# Altium PCB PCB2.PcbDoc (part 2 of 2)
Units mil, origin at the board's own origin, x right, y up, seen from the top; angles counter-clockwise.
Board outline 3940 x 3055 mil, 4 copper layers (Top Layer, DigitalVCC, AnalogVCC, Bottom Layer), stack 23.756 mil thick; 175 components, 97 nets, 522 pads, 410 vias.
Unrouted connection lines stored in the file: 18.
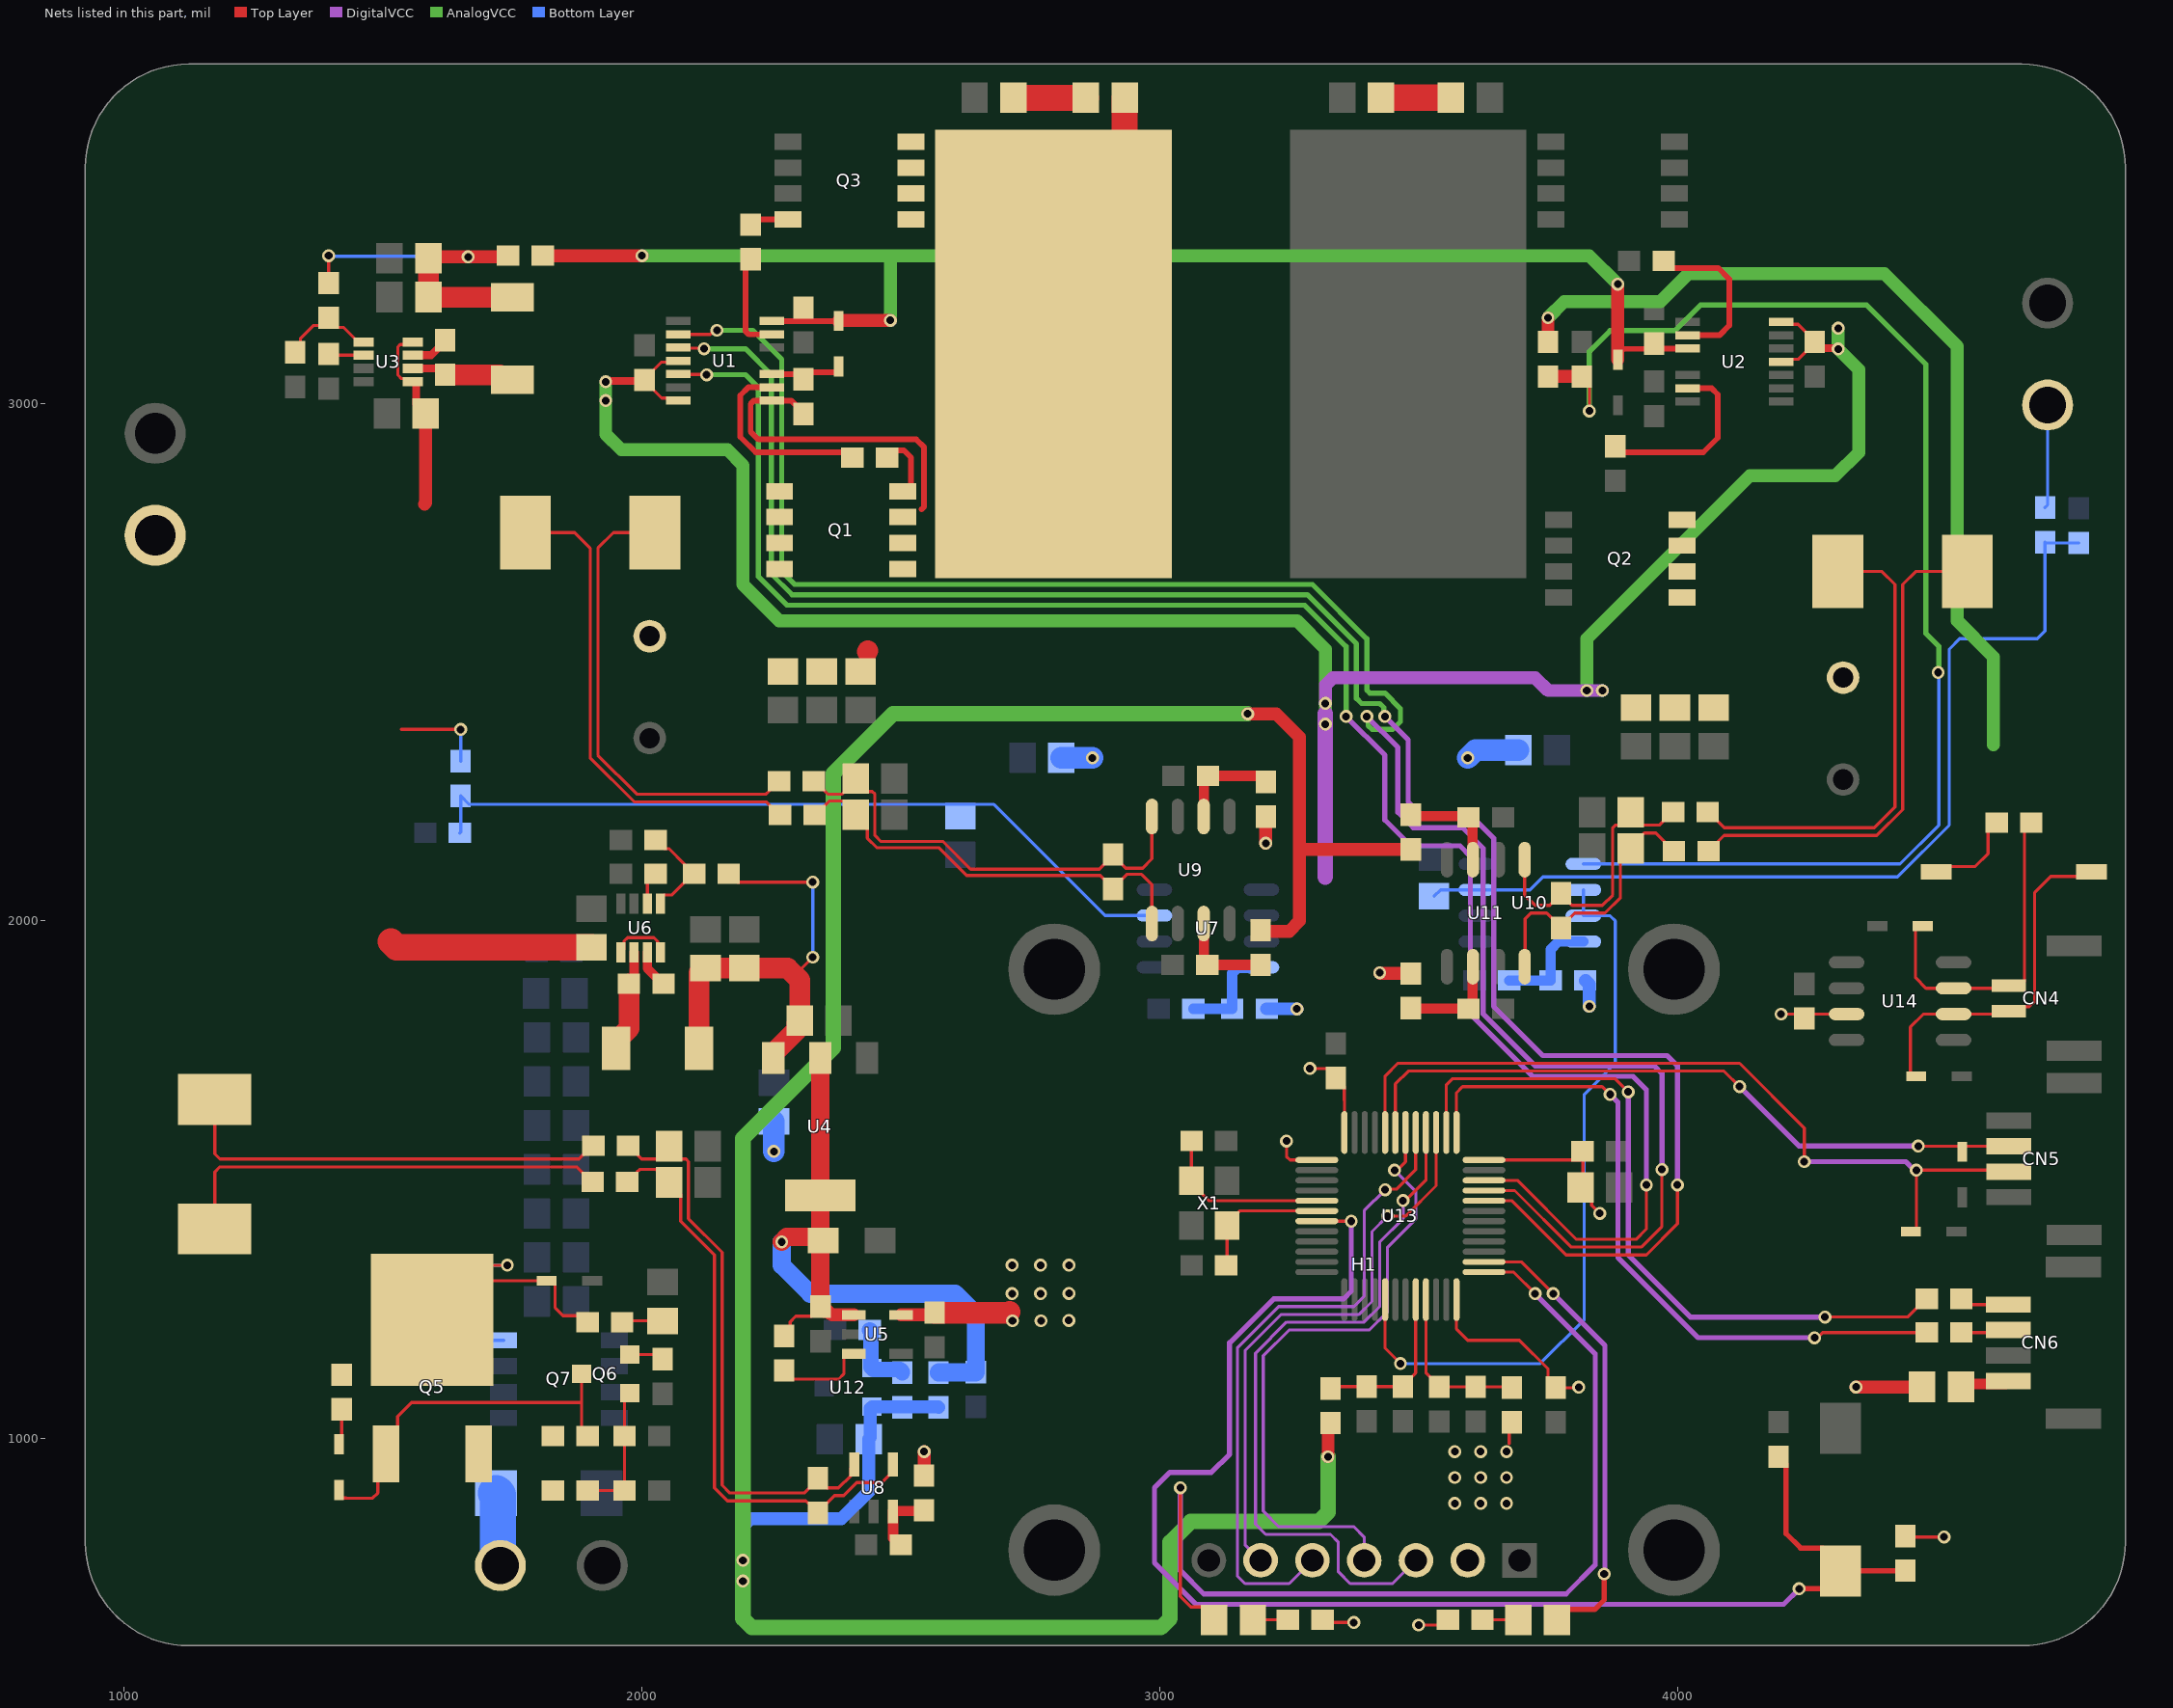
[diagram p4: the nets of this part, all layers, seen from the top]

## Via types
v1: diameter 25/25/25/25 (per signal layer), hole 15, Top Layer to Bottom Layer, tented both sides, 308 vias
v2: diameter 25, hole 15, Top Layer to Bottom Layer, tented both sides, 98 vias
v3: diameter 173.23, hole 108.27, Top Layer to Bottom Layer, 2 vias
v4: diameter 173.23/173.23/173.23/173.23 (per signal layer), hole 108.27, Top Layer to Bottom Layer, 2 vias

## Nets (pads, with @x,y where several pads share a name; then routed paths per layer and width w, separated by ;. In a path a pad name is that pad's centre, name@x,y a point inside that pad or via, vN(x,y) a via of type N, cw(c..) or ccw(c..) an arc to the next point about the centre after c; other vN are vias at no path point) (continued)
LED_BLUE: LED2.2 U13.26 | length 899.6
  Top Layer w6: U13.26@3626.42,1341.42 3698.58,1341.42 v2(3760,1280)
  Top Layer w10: LED2.2@3767.4,650 3787.4,670 3840,670 3858.5,688.5 v2(3858.5,738.68)
  DigitalVCC w10: v2(3760,1280) 3860,1180 3860,740.18 v2(3858.5,738.68)
LED_RED: LED1.2 U13.25 | length 1986.2
  Top Layer w6: v2(3040,905) 3040,695 3060,675 3082.61,675 3105.2,652.41 LED1.2@3105.2,650 ; U13.25@3626.42,1321.73 3683.27,1321.73 v2(3725,1280)
  DigitalVCC w10: v2(3040,905) 3040,745 3085,700 3785,700 3841.22,756.22 3841.22,1163.78 v2(3725,1280)
NetC13_1: C13.1 R5.2 | length 140.2
  Top Layer w50: C13.1@2717.4,3590 R5.2@2857.6,3590
NetC14_1: C14.1 R8.2 | length 135.2
  Top Layer w51: R8.2@3427.4,3590 C14.1@3562.6,3590
NetC15_1: C15.1 L2.1 U3.6 | length 198.9
  Top Layer w15: U3.6@1557.24,3067.2 C15.1@1607.81,3067.2 ; L2.1@1740,3055 L2.1@1750,3045
  Top Layer w40: C15.1@1620,3055 1725.83,3055 1735.83,3045 L2.1@1750,3045
NetC15_2: C15.2 U3.7 | length 76
  Top Layer w15: U3.7@1557.24,3092.8 1592.83,3092.8 1620,3119.96 C15.2@1620,3121.93
NetC16_2: C16.2 Q6.1 R7.1 R10.2 | length 263.2
  Top Layer w6: R7.1@1895,900 R10.2@1966.54,900 C16.2@1966.54,1005 1966.54,1077.87 Q6.1@1976.26,1087.6
NetC17_1: C17.1 D6.2 | length 69.6
  Top Layer w6: D6.2@1415,989 1420,994 C17.1@1420,1056.54
NetC24_1: C24.1 L5.1 U7.8 | length 204.8
  Bottom Layer w20: C24.1@3064.89,1830.35 L5.1@3139.89,1830.35 3139.89,1898.63 3150.91,1909.65 3195.89,1909.65 U7.8@3196.58,1910.35
NetC25_1: C25.1 C52.1 R31.1 U8.5 | length 1112.4
  Top Layer w6: R31.1@1973.27,1566 1975.24,1566 1991.92,1549.31 1991.92,1547.34 1999.26,1540 2029.81,1540 C52.1@2052.4,1562.59 ; C52.1@2052.4,1565 C52.1@2052.4,1562.59 ; C25.1@2340,923.46 C25.1@2340,921.5 ; U8.5@2410.2,950 2403.55,943.35 2403.55,928.55 2379.81,904.81 2356.69,904.81 C25.1@2340,921.5 ; C52.1@2052.4,1562.59 2074.99,1540 2085,1540 2090,1535 2090,1425 2155,1360 2155,910 2170,895 2313.5,895 C25.1@2340,921.5
NetC25_2: C25.2 C51.1 R29.1 U8.4 | length 1137
  Top Layer w6: R29.1@1971.73,1496 1973.7,1496 1990.39,1512.68 1990.39,1514.65 1995.74,1520 2027.41,1520 C51.1@2050,1497.41 ; C51.1@2052.6,1495 2075,1472.6 2075,1420 2140,1355 2140,905 2165,880 2316.54,880 2321.35,875.19 2323.31,875.19 2340,858.5 C25.2@2340,858.31 ; C25.2@2340,856.54 C25.2@2340,858.31 ; U8.4@2485,950 2485,936.52 2463.48,915 2415,915 2390,890 2371.69,890 C25.2@2340,858.31
NetC26_1: C26.1 L6.1 U8.3 | length 133
  Top Layer w20: C26.1@2500,795 2498.03,795 2485,808.03 U8.3@2485,859.16 2485,859.99 2485.35,860.35 2543.81,860.35 L6.1@2545,861.54
NetC27_1: C27.1 L8.2 U9.3 | length 185.9
  Top Layer w20: U9.3@3085,1995 3085.69,1994.31 3085.69,1921.24 C27.1@3091.93,1915 L8.2@3195,1915
NetC28_1: C28.1 L7.1 U9.6 | length 199.2
  Top Layer w20: U9.6@3085,2201.69 3085.69,2202.39 3085.69,2272.23 C28.1@3093.46,2280 3195.31,2280 3205,2270.31 L7.1@3205,2268.46
NetC29_1: C29.1 L9.1 U10.8 | length 209.6
  Bottom Layer w20: C29.1@3675,1885 L9.1@3755,1885 3755,1945 3770,1960 U10.8@3818.35,1960
NetC32_1: C32.1 L11.1 U11.3 | length 198.8
  Top Layer w20: L11.1@3485,2205 3487.5,2202.5 3594.04,2202.5 C32.1@3596.54,2200 3604.31,2192.23 3604.31,2119.04 U11.3@3605,2118.35
NetC33_1: C33.1 L10.1 U11.6 | length 197.3
  Top Layer w20: L10.1@3485,1831.54 3485.77,1830.77 3595.77,1830.77 C33.1@3596.54,1830 3604.31,1837.77 3604.31,1910.96 U11.6@3605,1911.65
NetC39_2: C39.2 C56.2 L12.2 U13.20 | length 319.7
  Top Layer w6: L12.2@3330,1096.93 3333.57,1100.5 C39.2@3400,1100.5 C56.2@3470,1100.5 3470,1102.47 3494.53,1126.99 U13.20@3494.53,1268.58
NetC41_1: C41.1 L3.1 U6.6 | length 199.9
  Top Layer w18: C41.1@1975,1878.68 1985,1888.68 U6.6@1985,1939.19
  Top Layer w40: L3.1@1950.32,1753.68 1950.32,1767.85 1975,1792.53 C41.1@1975,1878.68
NetC41_2: C41.2 U6.7 | length 74.6
  Top Layer w18: U6.7@2010.59,1939.19 2010.73,1939.05 2010.73,1907.91 2039.96,1878.68 C41.2@2041.93,1878.68
NetC45_2: C45.2 R23.1 R27.2 U7.3 | length 1507.8
  Bottom Layer w6: R27.2@1648.46,2170 1650,2171.54 R23.1@1650,2241.54 1666.54,2225 2680,2225 2894.65,2010.35 U7.3@2989.89,2010.35
NetC47_2: C47.2 R32.1 R34.2 U10.3 | length 1828.6
  Bottom Layer w6: C47.2@3530,2047.6 3542.4,2060 U10.3@3611.65,2060 3715,2060 3740,2085 4425,2085 4525,2185 4525,2525 4545,2545 4695,2545 4710,2560 R32.1@4710,2731.54 4711.54,2730 R34.2@4775,2730
NetC48_1: C48.1 C49.1 R58.1 U9.8 | length 908.7
  Top Layer w6: R58.1@2331.93,2270 2333.9,2270 2358.9,2245 2386.54,2245 2412.6,2271.06 C48.1@2412.6,2272.59 ; C48.1@2412.6,2275 C48.1@2412.6,2272.59 ; C49.1@2910,2128.46 C49.1@2910,2126.5 ; U9.8@2985,2201.69 2985,2120 2967,2102 2934.5,2102 C49.1@2910,2126.5 ; C48.1@2412.6,2272.59 2435.19,2250 2445,2250 2450,2245 2450,2165 2461.5,2153.5 2581.5,2153.5 2635,2100 2883.5,2100 C49.1@2910,2126.5
NetC49_2: C49.2 C50.2 R59.1 U9.1 | length 843.9
  Top Layer w6: R59.1@2333.46,2205 2335.43,2205 2361.96,2231.53 2390.01,2231.53 2412.6,2208.94 C50.2@2412.6,2205 2435.19,2182.41 2435.19,2159.81 2453.5,2141.5 2573.5,2141.5 2627,2088 2885.5,2088 C49.2@2910,2063.5 ; C49.2@2910,2061.54 C49.2@2910,2063.5 ; U9.1@2985,1995 2985,2070 2965,2090 2936.5,2090 C49.2@2910,2063.5
NetC53_1: C53.1 C54.1 R60.1 U11.8 | length 534.5
  Top Layer w6: U11.8@3705,1911.65 3705.86,1912.51 3705.86,2003.84 3717.02,2015 3747.32,2015 3775,1987.32 C54.1@3775,1986.54 3775,1988.5 3791.69,2005.19 3801.5,2015 3860,2015 3890,2045 3890,2120 C53.1@3910,2140 3910,2143.94 3936.06,2170 3958.07,2170 R60.1@3993.07,2135
NetC54_2: C54.2 C55.1 R61.1 U11.1 | length 556.7
  Top Layer w6: U11.1@3705,2118.35 3705,2050 3725,2030 3753.31,2030 3758.13,2034.81 3758.31,2034.81 C54.2@3775,2051.5 ; C55.1@3910,2210 C55.1@3910,2207.59 ; R61.1@3991.54,2210 3989.57,2210 3964.57,2185 3932.59,2185 C55.1@3910,2207.59 ; C54.2@3775,2051.5 C54.2@3775,2053.46 C54.2@3775,2051.5 ; C54.2@3775,2051.5 3796.5,2030 3855,2030 3875,2050 3875,2180 3880,2185 3887.41,2185 C55.1@3910,2207.59
NetC57_2: C57.2 C58.2 L13.2 U13.21 | length 319.9
  Top Layer w6: U13.21@3514.21,1268.58 3514.21,1127.76 3540,1101.97 C57.2@3540,1100 C58.2@3610,1100 3678.46,1100 L13.2@3680,1098.46
NetCN4_1: CN4.1 D9.1 R44.2 U14.7 | length 646.1
  Top Layer w6: D9.1@4474,1990 4466.65,1990 4460,1983.35 4460,1890 4480,1870 U14.7@4533.35,1870 4635,1870 CN4.1@4640,1875 4661.65,1875 4670.46,1883.81 4670.46,2177 R44.2@4683.46,2190
NetCN4_2: CN4.2 D10.1 SW1.1 U14.6 | length 699.4
  Top Layer w6: D10.1@4461,1700 4456.65,1700 4450,1706.65 4450,1795 4475,1820 U14.6@4533.35,1820 4634.2,1820 CN4.2@4640,1825.8 4648.81,1834.61 4679.61,1834.61 4690,1845 4690,2055 4720.82,2085.82 4790.82,2085.82 SW1.1@4800,2095
NetCN6_1: CN6.1 L4.1 | length 96
  Top Layer w20: L4.1@4547.4,1100 4552.99,1105.59 4633.23,1105.59 CN6.1@4638.82,1111.18
NetCN6_3: CN6.3 R47.1 | length 92.3
  Top Layer w6: R47.1@4548.46,1205 4634.21,1205 CN6.3@4638.82,1209.61
NetCN6_4: CN6.4 R46.1 | length 95
  Top Layer w6: R46.1@4548.46,1270 4559.65,1258.82 CN6.4@4638.82,1258.82
NetD6_1: D6.1 Q5.1 Q6.3 R6.1 | length 746.7
  Top Layer w6: D6.1@1415,901 1415,891.97 1421.65,885.33 1429.09,885.33 1429.41,885 1480,885 1490,895 1490,954.88 1528.11,992.99 1528.11,1043.11 1555,1070 1883.11,1070 1883.74,1070.63 ; Q6.3@1883.74,1125 1883.74,1070.63 ; R6.1@1895,1005 1883.74,1016.26 1883.74,1070.63
NetLED1_1: LED1.1 R42.1 | length 67.6
  Top Layer w6: LED1.1@3180,650 R42.1@3247.6,650
NetLED2_1: LED2.1 R43.1 | length 69.1
  Top Layer w6: R43.1@3623.46,650 LED2.1@3692.6,650
NetLED3_1: LED3.1 R12.1 | length 79.1
  Top Layer w6: R12.1@1961.93,1225 1964.53,1227.6 LED3.1@2040,1227.6
NetQ6_2: Q6.2 R11.2 | length 67.4
  Top Layer w6: Q6.2@1976.26,1162.4 2031.06,1162.4 R11.2@2040,1153.46
NetQ7_4: Q7.4 R13.1 R14.2 | length 159.5
  Bottom Layer w6: R13.1@1645,1266.54 R14.2@1645,1198.46 1653.46,1190 Q7.4@1732.87,1190
NetR1_1: R1.1 U1.12 | length 196.6
  Top Layer w11: R1.1@2210,3278.07 2200,3268.07 2200,3139.39 2206.44,3132.95 U1.12@2251.1,3132.95
NetR2_1: R2.1 U1.9 | length 380.7
  Top Layer w11: U1.9@2251.1,3030.59 2205.59,3030.59 2190,3015 2190,2935 2220,2905 2396.54,2905 R2.1@2406.54,2895
NetR3_1: R3.1 U2.12 | length 362
  Top Layer w11: R3.1@3880,2916.93 3891.93,2905 4050,2905 4078,2933 4078,3017 4066.18,3028.82 U2.12@4019.45,3028.82
NetR4_1: R4.1 U2.9 | length 319.4
  Top Layer w11: R4.1@3973.46,3275 3987.65,3260.81 4079.19,3260.81 4100,3240 4100,3150 4081.18,3131.18 U2.9@4019.45,3131.18
NetR9_2: R9.2 R16.2 U3.1 | length 188.5
  Top Layer w6: R16.2@1330,3098.46 1340.6,3109.07 1340.6,3125.6 1365,3150 1380,3150 R9.2@1395,3165 ; R9.2@1395,3163.03 1411.69,3146.35 1423.97,3146.35 1451.93,3118.39 U3.1@1462.76,3118.39
NetR15_2: R15.2 U5.3 | length 180.8
  Top Layer w6: R15.2@2275,1131.54 2291.54,1115 2380,1115 2390,1125 2390,1157.49 2396.65,1164.14 U5.3@2409.58,1164.14
NetR17_2: R17.2 U3.2 | length 68.7
  Top Layer w6: R17.2@1395,3095 1397.2,3092.8 U3.2@1462.76,3092.8
NetR33_2: R33.2 R35.1 U10.5 | length 2607
  Top Layer w6: R35.1@3815,3051.54 3830,3036.54 v2(3830,2985)
  Top Layer w25: R33.2@3750,3051.54 R35.1@3815,3051.54
  AnalogVCC w10: v2(3830,2985) 3830,3100 3870,3140 3995,3140 4045,3190 4365,3190 4480,3075 4480,2555 4505,2530 4505,2481.5 v2(4503.5,2480)
  Bottom Layer w6: U10.5@3818.35,2110 4430,2110 4505,2185 4505,2478.5 v2(4503.5,2480)
NetR40_1: R40.1 R41.2 U12.1 | length 138.7
  Bottom Layer w30: R41.2@2440,1210 2442.15,1207.85 2442.15,1138.55 U12.1@2444.29,1136.41 2447.01,1133.69 2498.35,1133.69 2503.03,1129.01 R40.1@2503.03,1127.47
NetR44_1: R44.1 SW1.2 | length 181.3
  Top Layer w6: SW1.2@4500,2095 4510,2105 4575,2105 4600,2130 4600,2173.46 R44.1@4616.54,2190
NetR53_2: R53.2 R54.2 U6.1 | length 193.7
  Top Layer w6: R54.2@2026.26,2156.43 2042.94,2139.75 2052.05,2139.75 2082.21,2109.59 2082.21,2108.12 2098.9,2091.43 2057.46,2050 2042.04,2050 2036.18,2044.14 U6.1@2036.18,2033.68 ; R53.2@2100.37,2091.43 R53.2@2100.87,2091.43
NetR55_2: R55.2 U6.2 | length 64.2
  Top Layer w6: U6.2@2010.59,2033.68 2010.59,2075.76 R55.2@2026.26,2091.43
NRST: C40.2 R45.1 SW2.2 U13.7 | length 2815.3
  Top Layer w6: U13.7@3303.58,1420.16 3369.84,1420.16 v2(3370,1420)
  Top Layer w10: C40.2@4195,965 4209.69,950.31 4209.69,816.72 4237.78,788.62 4280.63,788.62 4315,754.25 SW2.2@4315,744.41 4315.59,745 R45.1@4440,745 ; v2(4235,710) 4280.63,710 SW2.2@4315,744.41
  DigitalVCC w10: v2(3370,1420) 3370,1285 3355,1270 3220,1270 3135,1185 3135,970 3100,935 3020,935 2990,905 2990,760 3070,680 4205,680 v2(4235,710)
OLED_DC: H1.6 U13.39 | length 1100.3
  Top Layer w6: v2(3440,1430) 3475.41,1430 3533.9,1488.49 U13.39@3533.9,1591.42
  DigitalVCC w6: H1.6@3195,765 3165,795 3165,1170 3235,1240 3385,1240 3410,1265 3410,1400 v2(3440,1430)
OLED_MOSI: H1.4 U13.42 | length 1234.2
  Top Layer w6: v2(3453.5,1518.68) 3458.64,1518.68 3474.84,1534.88 U13.42@3474.84,1591.42
  DigitalVCC w6: H1.4@3395,765 3395,810 3375,830 3230,830 3200,860 3200,1160 3250,1210 3405,1210 3440,1245 3440,1370 3495,1425 3495,1477.18 v2(3453.5,1518.68)
OLED_RES: H1.5 U13.41 | length 1265.8
  Top Layer w6: v2(3435.48,1480.68) 3436.63,1481.84 3456.98,1481.84 3494.53,1519.39 U13.41@3494.53,1591.42
  DigitalVCC w6: H1.5@3295,765 3250,720 3165,720 3150,735 3150,1175 3230,1255 3375,1255 3395,1275 3395,1440.2 v2(3435.48,1480.68)
OLED_SCK: H1.3 U13.40 | length 1393.3
  Top Layer w6: v2(3470,1460) 3475,1460 3514.21,1499.21 U13.40@3514.21,1591.42
  DigitalVCC w6: v2(3470,1460) 3470,1425 3425,1380 3425,1255 3395,1225 3245,1225 3185,1165 3185,835 3205,815 3330,815 3345,800 3345,742.98 3367.98,720 3450,720 H1.3@3495,765
OSC_IN: C60.1 U13.5 X1.1 | length 337.9
  Top Layer w6: C60.1@3061.54,1575 3061.1,1574.56 X1.1@3061.1,1497.97 3061.1,1494.03 3095.6,1459.53 U13.5@3303.58,1459.53
OSC_OUT: C61.1 U13.6 X1.3 | length 264.7
  Top Layer w6: C61.1@3128.46,1335 3130,1336.54 X1.3@3130,1411.35 3130,1415.28 3154.56,1439.84 U13.6@3303.58,1439.84
SourceDriver_Enable: U1.5 U13.34 | length 3625.4
  Top Layer w6: U1.5@2070,3056.18 2070.59,3055.59 2124.41,3055.59 v2(2125,3055) ; U13.34@3626.42,1498.9 3691.1,1498.9 3805,1385 3920,1385 3940,1405 v2(3940,1490)
  DigitalVCC w10: v2(3360,2395) 3435,2320 3435,2195 3485,2145 3580,2145 3600,2125 3600,1820 3720,1700 3914.14,1700 3940,1674.14 v2(3940,1490)
  AnalogVCC w10: v2(2125,3055) 2200,3055 2225,3030 2225,2665 2280,2610 3280,2610 3360,2530 v2(3360,2395)
SourceDriver_HighDrive: Q1.4 R2.2 | length 133.2
  Top Layer w11: R2.2@2473.46,2895 2487.65,2909.19 2505.81,2909.19 2520,2895 2520,2840.25 2509.75,2830 Q1.4@2504.11,2830
SourceDriver_HighPWM: U1.3 U13.32 | length 3807.9
  Top Layer w6: U1.3@2070,3107.36 2071.18,3106.18 2118.82,3106.18 v2(2120,3105) ; U13.32@3626.42,1459.53 3680.47,1459.53 3785,1355 3940,1355 4000,1415 v2(4000,1490)
  DigitalVCC w10: v2(3435,2395) 3480,2350 3480,2230 3510,2200 3605,2200 3645,2160 3645,1835 3740,1740 3980,1740 4000,1720 v2(4000,1490)
  AnalogVCC w10: v2(2120,3105) 2200,3105 2250,3055 2250,2670 2290,2630 3285,2630 3380,2535 3380,2430 3390,2420 3425,2420 3433.05,2411.95 3433.05,2396.95 v2(3435,2395)
SourceDriver_LowDrive: Q3.4 R1.2 | length 75.9
  Top Layer w11: R1.2@2210,3345 2220,3355 Q3.4@2281.78,3355
SourceDriver_LowPWM: U1.2 U13.33 | length 3931.5
  Top Layer w6: U1.2@2070,3132.95 2131.99,3132.95 2139.89,3140.86 v2(2145,3140.86) ; U13.33@3626.42,1479.21 3685.79,1479.21 3795,1370 3930,1370 3970,1410 v2(3970,1520)
  DigitalVCC w10: v2(3400,2395) 3460,2335 3460,2210 3490,2180 3585,2180 3625,2140 3625,1820 3725,1720 3955,1720 3970,1705 v2(3970,1520)
  AnalogVCC w10: v2(2145,3140.86) 2214.14,3140.86 2270,3085 2270,2675 2295,2650 3295,2650 3400,2545 3400,2445.86 3405.86,2440 3435,2440 3465,2410 3465,2385 3450,2370 3410,2370 3402.87,2377.13 3402.87,2392.13 v2(3400,2395)
SourceDriver_SW: C9.2 L1.1 Q1.1 Q1.2 Q1.3 Q3.5 Q3.6 Q3.7 Q3.8 R5.1 U1.8 | length 1191.5
  Top Layer w11: C9.2@2312.03,2979.2 2312.03,2981.17 2288.2,3005 U1.8@2251.1,3005 2216.44,3005 2210,2998.56 2210,2945 2225,2930 2530,2930 2545,2915 2545,2800 2540,2795
  Top Layer w50: L1.1@2795,3095 2932.4,3232.4 R5.1@2932.4,3590
SourceDriver_VCC: C9.1 D1.1 U1.10 | length 143.2
  Top Layer w11: U1.10@2251.1,3056.18 C9.1@2312.03,3056.18 ; C9.1@2312.03,3046.13 2325.9,3060 2375.85,3060 2380,3064.15 D1.1@2380,3071
SWCLK: R46.2 U13.38 | length 1414.4
  Top Layer w6: U13.38@3553.58,1591.42 3553.58,1683.58 3565,1695 3880,1695 v2(3905,1670) ; v2(4285,1235) 4444.57,1235 4479.57,1270 R46.2@4481.54,1270
  DigitalVCC w10: v2(3905,1670) 3905,1355 4025,1235 v2(4285,1235)
SWDIO: R47.2 U13.37 | length 1370.7
  Top Layer w6: U13.37@3573.27,1591.42 3573.27,1668.27 3585,1680 3854.59,1680 3869.59,1665 v2(3870,1665) ; v2(4265,1195) 4270.14,1195 4280.14,1205 R47.2@4481.54,1205
  DigitalVCC w10: v2(3870,1665) 3885,1650 3885,1350 4040,1195 v2(4265,1195)
TemDet: U10.6 U10.7 U13.17 | length 1436.7
  Top Layer w6: U13.17@3435.47,1268.58 3435.47,1174.53 v2(3465,1145)
  Bottom Layer w6: v2(3465,1145) 3735,1145 3820,1230 3820,1665 3880,1725 3880,2000 3870,2010 U10.7@3818.35,2010 U10.6@3818.35,2060
USART_Rx: CN5.2 D12.1 U13.44 | length 1576.8
  Top Layer w6: U13.44@3435.47,1591.42 3435.47,1700.47 3460,1725 4120,1725 4245,1600 v2(4245,1535) ; D12.1@4451,1400 4460,1400 4461.5,1401.5 v2(4461.5,1518.68) 4637.11,1518.68 CN5.2@4640,1515.79
  DigitalVCC w10: v2(4245,1535) 4441.12,1535 4457.44,1518.68 v2(4461.5,1518.68)
USART_Tx: CN5.3 D11.1 U13.43 | length 1348.9
  Top Layer w6: U13.43@3455.16,1591.42 3455.16,1685.16 3480,1710 4090,1710 v2(4120,1680) ; v2(4465,1565) CN5.3@4640,1565
  DigitalVCC w10: v2(4120,1680) 4235,1565 v2(4465,1565)
VCC3.3: C7.2 C10.2 C21.1 C34.2 C35.2 C36.2 C37.2 C59.2 C64.2 C65.2 C66.2 H1.2 L4.2 L5.2 L6.2 L7.2 L9.2 L10.2 L13.1 R33.1 R42.2 R43.2 R45.2 U1.4 U1.7 U2.4 U2.7 U5.5 U13.1 U13.24 U13.36 U13.48 U14.3 | length 8180.4
  Top Layer w6: C7.2@2005,3043.03 2038.16,3009.87 2065.13,3009.87 U1.7@2070,3005 ; C7.2@2005,3046.97 2037.38,3079.35 2067.58,3079.35 U1.4@2070,3081.77 ; v1(3245,1575) 3245,1545 3251.73,1538.27 U13.1@3303.58,1538.27 ; v1(3290,1715) 3323.31,1715 3340,1698.31 C35.2@3340,1696.54 3356.69,1679.85 3356.69,1653.73 3356.73,1653.68 U13.48@3356.73,1591.42 ; R42.2@3314.53,650 3319.53,645 v1(3375,645) ; v1(3500,640) 3546.54,640 R43.2@3556.54,650 ; U13.24@3573.27,1268.58 3573.27,1211.73 3595,1190 3695,1190 3750,1135 3750,1113.46 C37.2@3765,1098.46 3808.46,1098.46 v1(3809.23,1099.23) v1@3810,1100 ; U13.36@3626.42,1538.27 3815.39,1538.27 3817.6,1536.06 C59.2@3817.6,1480 ; 3675,990 3675,1026.54 L13.1@3680,1031.54 ; C59.2@3812.6,1485 C59.2@3817.6,1480 ; v1(3850,1435) 3834.22,1450.78 3834.22,1463.38 C59.2@3817.6,1480 ; v1(4200,1820) U14.3@4326.65,1820 ; U2.4@4200.55,3080 4205.22,3084.67 4233.17,3084.67 4265,3116.5 C10.2@4265,3118.46 4265,3120.43 4233.17,3152.26 4205.06,3152.26 U2.7@4200.55,3156.77 ; R45.2@4440,811.93 4441.93,810 v1(4515,810)
  Top Layer w15: v1(1930,3041.51) 1931.74,3043.26 2004.78,3043.26 C7.2@2005,3043.03 ; C10.2@4265,3118.46 4276.94,3106.53 4308.47,3106.53 v1(4310.38,3104.62)
  Top Layer w25: U5.5@2500.42,1238.94 C21.1@2562.44,1238.94 ; L6.2@2545,928.46 v1(2545,975) ; v1(3205,2150) L7.2@3205,2201.54 ; v1(3425,1900) 3426.54,1898.46 L10.2@3485,1898.46 ; R33.1@3750,3118.46 v1(3750,3165) ; v1(4345,1100) L4.2@4472.6,1100
  Top Layer w42: C21.1@2565,1243.46 2708.46,1243.46 2710,1245
  DigitalVCC w25: v1(3320,2420) 3320,2455.36 3334.64,2470 3725,2470 3750,2445 v1(3825,2445) v1(3855,2445)
  DigitalVCC w30: 3320,2085 v1(3320,2380) 3320,2400
  AnalogVCC w25: v1(1930,3041.51) v1(1930,3005) 1930,2940 1960,2910 2165,2910 2195,2880 2195,2650 2265,2580 3265,2580 3320,2525 v1(3320,2420) v1(3320,2380) ; v1(3750,3165) 3781,3196 3967.16,3196 4021.16,3250 4400,3250 4540,3110 4540,2580 4610,2510 4610,2340 ; v1(3825,2445) 3825,2545 4140,2860 4305,2860 4350,2905 4350,3065 v1(4310.38,3104.62) v1(4310.38,3144.62)
  Bottom Layer w25: L5.2@3206.82,1830.35 3264.65,1830.35 v1(3265,1830) ; L9.2@3821.93,1885 3822.81,1885 3830,1877.81 v1(3830,1835)
  Bottom Layer w42: v1(2255,1555) C65.2@2255,1612.6 ; C64.2@2809.8,2315 v1(2870,2315) ; v1(3595,2315) 3610,2330 C66.2@3692.6,2330
  other v1: 2715.72,1227.72 2770.72,1227.72 2824.57,1228.28 2715,1280 2770,1280 2825.05,1280.48 2715,1335 2770,1335 2825,1335
  other v2: 3570,875 3620,875 3670,875 3570,925 3620,925 3670,925 3570,975 3620,975 3670,975
VCC5: C19.1 C20.1 C31.2 R15.1 R39.2 U4.2 U4.4 U5.1 | length 1383.5
  Top Layer w6: R15.1@2275,1198.46 2286.28,1209.74 2286.28,1225.6 2297.02,1236.35 2328.31,1236.35 C20.1@2345,1253.03
  Top Layer w25: C20.1@2345,1253.03 2352.19,1245.85 2359.92,1245.85 2366.83,1238.94 U5.1@2409.58,1238.94
  Top Layer w35: v2(2270,1380) 2280,1390 2342.61,1390 C19.1@2350,1382.61 ; U4.2@2344.5,1735.48 2344.75,1735.24 2344.75,1255.25 C20.1@2345,1255
  Bottom Layer w35: v2(2270,1380) 2270,1335 2325,1280 2605,1280 2645,1240 C31.2@2645,1128.46 2644.5,1127.97 2573.53,1127.97 R39.2@2573.03,1127.47
VCC7: C18.1 C42.2 C43.2 L3.2 R53.1 U4.3 | length 889
  Top Layer w6: R53.1@2167.8,2091.43 2184.23,2075 v2(2330,2075) ; 2295.15,1895.15 v2(2330,1930)
  Top Layer w40: L3.2@2110,1753.68 2110,1900.17 2118.86,1909.03 C43.2@2122.8,1909.03 C42.2@2197.8,1909.03 2281.27,1909.03 2304.7,1885.6 C18.1@2304.7,1807.61 2299.11,1802.02 2299.11,1789.5 2253.95,1744.34 U4.3@2253.95,1735.48
  Bottom Layer w6: v2(2330,1930) v2(2330,2075)
VCC12: C22.2 C30.2 L2.2 R9.1 R52.1 | length 717.5
  Top Layer w6: R9.1@1395,3231.93 v2(1395,3285)
  Top Layer w25: C22.2@1587.4,3280 1589.9,3282.5 v2(1664.47,3282.5) 1739.04,3282.5 R52.1@1741.54,3285
  Top Layer w40: C22.2@1587.4,3280 C30.2@1587.4,3205 1587.56,3204.84 1749.84,3204.84 L2.2@1750,3204.68
  Bottom Layer w6: v2(1395,3285) 1396.25,3283.75 1663.22,3283.75 v2(1664.47,3282.5)
VCC12_boot: C8.1 C11.1 D1.2 D2.2 R52.2 U1.13 U2.10 | length 2752.8
  Top Layer w11: U1.13@2251.1,3158.54 D1.2@2379.54,3158.54 ; D2.2@3885,3084 3885,3093.74 3896.26,3105 3945,3105 C11.1@3955,3115 ; C11.1@3955,3105.59 U2.10@4019.45,3105.59
  Top Layer w25: R52.2@1808.46,3285 v2(2000,3285) ; D1.2@2379.54,3158.54 D1.2@2380,3159 2381,3160 v1(2480,3160) ; D2.2@3885,3084 v2(3885,3230)
  AnalogVCC w25: v2(2000,3285) 2480,3285 ; v1(2480,3160) 2480,3285 ; v2(3885,3230) 3830,3285 2480,3285
VCC24: C38.2 C44.2 CN1.1 R22.2 R23.2 R30.1 R31.2 R59.2 U3.5 U3.8 U6.5 U6.8 | length 2865.9
  Top Layer w6: R30.1@1175,1655 1175,1550 1185,1540 1878.37,1540 1904.37,1566 R31.2@1906.34,1566 ; 1535,2370 v2(1650,2370) ; U3.5@1557.24,3041.61 1551.39,3047.47 1535.7,3047.47 1528.56,3054.62 1528.56,3108.56 1533.18,3113.18 1552.04,3113.18 U3.8@1557.24,3118.39 ; R22.2@1775,2750 1870,2750 1900,2720 1900,2315 1985,2230 2240,2230 2245,2225 2245,2224.57 2264.57,2205 R59.2@2266.54,2205 ; U6.5@1959.41,1939.19 1965.27,1945.05 1965.27,1960.73 1972.41,1967.87 2023.18,1967.87 2030.32,1960.73 2030.32,1945.05 U6.8@2036.18,1939.19
  Top Layer w15: U3.5@1557.24,3041.61 1562.95,3041.61 1564.31,3040.26 1564.31,2998.09 C38.2@1582.4,2980
  Top Layer w25: 1580,2805 1582.4,2807.4 C38.2@1582.4,2980
  Top Layer w51: 1515,1960 1525.97,1949.03 C44.2@1902.8,1949.03
  Bottom Layer w6: R23.2@1650,2308.46 v2(1650,2370)
VCC24_H: C17.2 D7.1 Q5.2 R12.2 R13.2 R29.2 R30.2 | length 1546.6
  Top Layer w6: R30.2@1175,1405 1175,1515 1185,1525 1873.83,1525 1902.83,1496 R29.2@1904.8,1496 ; C17.2@1420,1123.46 C17.2@1436.54,1140 ; Q5.2@1664.61,1160 Q5.2@1595,1229.61 Q5.2@1670.39,1305 ; v2(1740,1335) 1700.39,1335 Q5.2@1670.39,1305 ; R12.2@1895,1225 1882.39,1237.61 1847.39,1237.61 1832.39,1252.61 1832.39,1298.35 1825.75,1305 D7.1@1816,1305 Q5.2@1670.39,1305
  Bottom Layer w6: R13.2@1645,1333.46 1646.54,1335 v2(1740,1335)
VCC_bat: CN2.2 D4.2 Q5.3 R6.2 R7.2 | length 143.6
  Bottom Layer w70: D4.2@1717.98,895 1722.28,890.7 1722.28,759.3 CN2.2@1726.58,755
VCC_cap: CN3.2 R32.2 R36.1 R60.2 | length 1178.7
  Top Layer w6: R60.2@4060,2135 4090,2165 4385,2165 4435,2215 4435,2650 4460,2675 R36.1@4560,2675
  Bottom Layer w6: R32.2@4710,2798.46 4715,2803.46 CN3.2@4715,2996.58
VCC_DCcap: C4.2 C6.1 C62.2 C63.2 Q2.5 Q2.6 Q2.7 Q2.8 R36.2 R61.2 | length 940.9
  Top Layer w6: R61.2@4058.46,2210 4060.43,2210 4090.43,2180 4380,2180 4420,2220 4420,2650 4395,2675 R36.2@4310,2675
VCC_DCsource: C1.2 C2.2 C3.2 C5.1 Q1.5 Q1.6 Q1.7 Q1.8 R22.1 R58.2 | length 917.2
  Top Layer w6: R22.1@2025,2750 1945,2750 1915,2720 1915,2320 1990,2245 2240,2245 2246.35,2251.35 2246.35,2253.31 2263.03,2270 R58.2@2265,2270
  Top Layer w40: 2435,2520 2436.54,2521.54
Vref3.3: C46.2 L8.1 L11.2 L12.1 R39.1 R40.2 U12.2 | length 5463
  Top Layer w25: v1(3170,2400) 3225,2400 3270,2355 3270,2140 ; L8.1@3195,1981.93 3196.93,1980 3250,1980 3270,2000 3270,2140 ; v2(3325,965) 3325.31,965.31 3325.31,1025.31 L12.1@3330,1030 ; L11.2@3485,2138.07 3271.93,2138.07 3270,2140
  AnalogVCC w30: v1(3170,2400) 2485,2400 2370,2285 2370,1755 2195,1580 2195,652.57 2212.57,635 3002.43,635 3020,652.57 3020,800 3060,840 3307.43,840 3325,857.57 v2(3325,965)
  Bottom Layer w25: 2195,750 2195,830 2210,845 2385,845 2437.83,897.83 C46.2@2437.83,999.01 2441.06,1002.23 2441.06,1058.38 U12.2@2444.29,1061.6 2444.82,1061.07 2572.5,1061.07 R39.1@2573.03,1060.54
  other v2: 2195,725 2195,765
pads on no net: CN5.4 U1.6 U2.6 U5.4 U7.5 U7.6 U7.7 U9.4 U11.4 U13.2 U13.3 U13.4 U13.10 U13.11 U13.13 U13.15 U13.18 U13.22 U13.27 U13.28 U14.5 U14.8
copper on no net:
  other v3: 4665,800

## Polygon pours and split planes (outlines as drawn)
GND on DigitalVCC "NONET_L-01_P-001" (solid, remove dead copper, pour order 0): 1925,600 1925,2155 2130,2360 4870,2360 5030,2520 4935,2615 4935,4180 995,4180 400,3585 400,360
VCC3.3 on DigitalVCC "NONET_L-01_P-001" (solid, remove dead copper, pour order 9): 3290,2120 3290,2060 3360,2060 3360,2120
VCC3.3 on DigitalVCC "NONET_L-01_P-001" (solid, remove dead copper, pour order 1): 2675,556.93 2675,1985 2810,2120 5170,2120 5422.5,1867.5 5190,1635 5190,580
VCC3.3 on AnalogVCC "NONET_L-01_P-001" (solid, remove dead copper, pour order 2): 2225,597.9 2225,2080 2500,2355 5205,2355 5380,2180 5380,415
GND on AnalogVCC "NONET_L-01_P-001" (solid, remove dead copper, pour order 16): 1925,595 1925,2155 2130,2360 4887.72,2360 5405,2877.28 5405,4490 1120,4490 335,3705 335,240
VCC3.3 on AnalogVCC "NONET_L-01_P-001" (solid, pour order 12): 4577.5,2355 4577.5,2315 4642.5,2315 4642.5,2355
GND on Bottom Layer "NONET_L-01_P-001" (solid, pour order 14): 4530,2420 4530,2375 4590,2375 4590,2420
GND on Bottom Layer "NONET_L-01_P-001" (solid, remove dead copper, pour order 3): 2140,530 2140,2155 2405,2420 4930,2420 4930,835 5240,525
GND on Top Layer "NONET_L-01_P-001" (solid, remove dead copper, pour order 15): 1925,600 1925,2155 2130,2360 4865,2360 4865,3850 4620,4095 4425,3900 655,3900 655,245 820,80
GND on Top Layer "NONET_L-01_P-001" (solid, remove dead copper, pour order 7): 3366.8,2255 3366.8,2210 3425,2210 3425,2255
GND on Top Layer "NONET_L-01_P-001" (solid, remove dead copper, pour order 4): 2405,600 2405,2100 2560,2255 4900,2255 5285,1870 5285,445

## Other copper
Top Layer:
  region net GND: 1712.5,1475 1707.5,1470 1642.5,1470 1637.5,1475 1637.5,1495 1642.5,1500 1707.5,1500 1712.5,1495
  region net GND: 3825,2262.5 3820,2267.5 3820,2332.5 3825,2337.5 3845,2337.5 3850,2332.5 3850,2267.5 3845,2262.5
  region net GND: 2572.5,2330 2577.5,2335 2642.5,2335 2647.5,2330 2647.5,2310 2642.5,2305 2577.5,2305 2572.5,2310
  region net GND: 2190,1722.5 2195,1717.5 2195,1652.5 2190,1647.5 2170,1647.5 2165,1652.5 2165,1717.5 2170,1722.5
  region net VCC3.3: 2700,1220 2705,1215 2835,1215 2840,1220 2840,1350 2835,1355 2705,1355 2700,1350
  region net GND: 1940,1985 1945,1980 1995,1980 1995,2010 1940,2010
  region net GND: 1765,1995 1995,1995 1995,2055 1985,2065 1795,2065 1785,2075 1780,2075
  region net GND: 1650,2000 1655,1995 1785,1995 1790,2000 1790,2125 1785,2130 1655,2130 1650,2125
  region net VCC24: 1970,1960 1970,1920 1935,1920 1930,1925 1925,1925 1925,1965 1930,1965 1935,1960
  region net VCC24: 1570,1860 1570,2405 1575,2410 1820,2410 1825,2415 1825,2824.18 1819.18,2830 950.82,2830 945,2824.18 945,1860
  region net GND: 1295,3497.82 1295,3610 1300,3615 2305,3615 2310,3610 2310,3514.64
  region net GND: 4019.38,3469.38 4030,3480 4030,3595 4050,3615 4505,3615 4510,3610 4510,3460 4130,3460 4064.38,3394.38
  region net GND: 1295,3390 1295,3340 1300,3335 2175,3335 2175,3380 2185,3390 2185,3395 1340,3395 1310,3425
  region net GND: 1920.41,3170.48 1940.41,3170.48 1945.41,3165.48 1945.41,3100.48 1940.41,3095.48 1920.41,3095.48 1915.41,3100.48 1915.41,3165.48
  region net GND: 4300,3065 4320,3065 4325,3060 4325,2995 4320,2990 4300,2990 4295,2995 4295,3060
  region net GND: 3575,2455 3580,2450 3580,2360 3575,2355 3490,2355 3485,2360 3485,2450 3490,2455
  region net GND: 2305,3385 2310,3390 2310,3520 2305,3525 1300,3525 1295,3520 1295,3390 1300,3385
  region net GND: 3965,3470 3970,3475 4505,3475 4510,3470 4510,3340 4505,3335 3970,3335 3965,3340
  region net VCC_DCcap: 3880,2795 3880,2390 3890,2380 4345,2380 4360,2395 4360,2790 4355,2795
  pour cut-out: 1662.8,3238.53 1832.8,3238.53 1837.8,3233.53 1837.8,3013.53 1832.8,3008.53 1662.8,3008.53 1657.8,3013.53 1657.8,3233.53
  pour cut-out: 2557.5,3530 2555,3527.5 2555,2668.51 2573.51,2650 3710,2650 3715,2655 3715,3526.49 3705,3536.49 2565,3536.49
  region net VCC3.3: 3550.82,1000 3682,1000 3688.5,993.5 3688.5,867.34 3680.48,859.32 3550.68,859.32 3545,865 3545,994.18
  pour cut-out: 3025,1535 3025,1376.27 3031.27,1370 3165,1370 3170,1375 3170,1535 3165,1540 3029.77,1540
  region net VCC3.3: 1920,3060 1940,3060 1945,3055 1945,2990 1940,2985 1920,2985 1915,2990 1915,3055
  region net VCC3.3: 4300,3165 4320,3165 4325,3160 4325,3095 4320,3090 4300,3090 4295,3095 4295,3160
  region net VCC_cap: 4515,2600 4510,2605 4510,3090 4515,3095 4825,3095 4830,3090 4830,2605 4825,2600 4605,2600
  region net CapDriver_SW: 3885,3335 3715,3335 3705,3325 3705,3520 3700,3525 3705,3530 3770,3530 3775,3525 3885,3525
  region net CapDriver_SW: 3800,2660 3795,2655 3715,2655 3705,2665 3705,2800 3710,2795 3795,2795 3800,2790
  region net SourceDriver_SW: 2565,3335 2570,3330 2570,3340
  region net SourceDriver_SW: 2390.89,3525 2545,3525 2550,3530 2565,3530 2570,3525 2570,3340 2565,3335 2390.89,3335
  region net SourceDriver_SW: 2560,2800 2570,2810 2575,2805
  region net SourceDriver_SW: 2475,2800 2475,2665 2480,2660 2570,2660 2575,2665 2575,2805 2480,2805
  region net VCC_DCsource: 1975,2460 1980,2455 2455,2455 2460,2460 2460,2845 2455,2850 1980,2850 1975,2845
  region net VCC24: 950,1605 945,1610 945,1860 950,1865 1235,1865 1325,1865 1330,1870 1565,1870 1570,1865 1570,1610 1565,1605
  region net VCC24_H: 1715,1100 1710,1095 945,1095 940,1100 940,1450 945,1455 1710,1455 1715,1450
  region net VCC_bat: 1855,690 1850,685 1550,685 1545,690 1545,1030 1550,1035 1850,1035 1855,1030
DigitalVCC:
  pour cut-out: 1662.8,3238.53 1832.8,3238.53 1837.8,3233.53 1837.8,3013.53 1832.8,3008.53 1662.8,3008.53 1657.8,3013.53 1657.8,3233.53
  pour cut-out: 3030,1540 3025,1535 3025,1375 3030,1370 3165,1370 3170,1375 3170,1535 3165,1540
  region net VCC3.3: 3808.75,2455 3813.75,2460 3866.25,2460 3871.25,2455 3871.25,2435 3866.25,2430 3813.75,2430 3808.75,2435
  region net VCC3.3: 3330,2440 3335,2435 3335,2370 3330,2365 3310,2365 3305,2370 3305,2435 3310,2440
AnalogVCC:
  region net GND: 3490,2455 3485,2450 3485,2360 3490,2355 3575,2355 3580,2360 3580,2450 3575,2455
  pour cut-out: 1665,3240 1835,3240 1840,3235 1840,3015 1835,3010 1665,3010 1660,3015 1660,3235
  region net VCC3.3: 3810,2435 3815,2430 3867.5,2430 3872.5,2435 3872.5,2455 3867.5,2460 3815,2460 3810,2455
  pour cut-out: 3030,1540 3025,1535 3025,1375 3030,1370 3165,1370 3170,1375 3170,1535 3165,1540
  region net VCC3.3: 1920,3060 1915,3055 1915,2990 1920,2985 1940,2985 1945,2990 1945,3055 1940,3060
  region net VCC3.3: 3310,2440 3305,2435 3305,2370 3310,2365 3330,2365 3335,2370 3335,2435 3330,2440
Bottom Layer:
  region net GND: 1637.5,1475 1642.5,1470 1707.5,1470 1712.5,1475 1712.5,1495 1707.5,1500 1642.5,1500 1637.5,1495
  region net Vref3.3: 2185,782.5 2180,777.5 2180,712.5 2185,707.5 2205,707.5 2210,712.5 2210,777.5 2205,782.5
  region net GND: 1785,2130 1790,2125 1790,2000 1785,1995 1615,1995 1605,1985 1605,2140 1615,2130
  region net GND: 1760,1155 1755,1160 1615,1160 1610,1165 1610,3045 1605,3050 970,3050 965,3045 965,2830 970,2825 1125,2825 1130,2820 1130,2670 1125,2665 950,2665 945,2660 945,965 950,960 1755,960 1760,965
  region net GND: 2195,3615 4505,3615 4510,3610 4510,3520 2195,3520 2190,3525
  region net GND: 1295,3510 1295,3610 1300,3615 2205,3615 2205,3520
  region net GND: 2560,3340 2565,3335 2565,2965 2555,2955 3720,2955 3710,2965 3710,3330 3720,3340
  region net GND: 1300.07,3525.07 4504.93,3525.07 4510,3520 4510,3340 4505,3335 1300,3335 1295,3340 1295,3520
  region net GND: 1600.43,2974.57 1620,2955 4320,2955 4330,2965 4330,3280 4335,3285 4825,3285 4830,3280 4830,3065 4825,3060 4655,3060 4650,3055 4650,2595 4645,2590 2080,2590 1615,2590 1558.73,2533.73
  pour cut-out: 3030,1540 3025,1535 3025,1375 3030,1370 3165,1370 3170,1375 3170,1535 3165,1540
  region net GND_bat: 1800,685 2100,685 2105,690 2105,1205 2100,1210 1800,1210 1795,1205 1795,690 1795,1190 1795,690

## Silkscreen, mask and mechanical layers (free items; w line width, h text height)
Top Overlay:
  text "CHA" at 1200,2950 h120 r270
  text "CAP" at 4590,2900 h120 r90
  text "bxCAN" at 4189.89,1618.89 h120
  text "USART" at 4185,1451.33 h120
  text "SWD" at 4170,1206.11 h120
  text "BAT" at 1260,690 h120
Bottom Overlay:
  drawing of 26 lines, arcs and shapes, not listed
  text "SuperCapacitor Controller" at 3848,3431.99 h60
  text "Adrenal" at 3518,3287 h100
  text "Acknowledge" at 3775,3141.66 h50
  text "Acknowledge" at 3775,3041.66 h50
  text "PoweredBy" at 3615,2841.66 h50
Mechanical 1:
  the board outline again, w10

## Text inside footprints (layer, text, board x,y; h text height)
CN2: Top Overlay "-" at 2050.32,770 h39.37 r270; Top Overlay "+" at 1601.09,761.08 h39.37 r315
CN3: Top Overlay "-" at 4700,3320.32 h39.37; Top Overlay "+" at 4708.92,2871.09 h39.37 r45
SW1: Top Overlay "ON" at 4710.54,2102.21 h12.98 r180